# KiCad board DevTermCaseTemp_v4.kicad_pcb
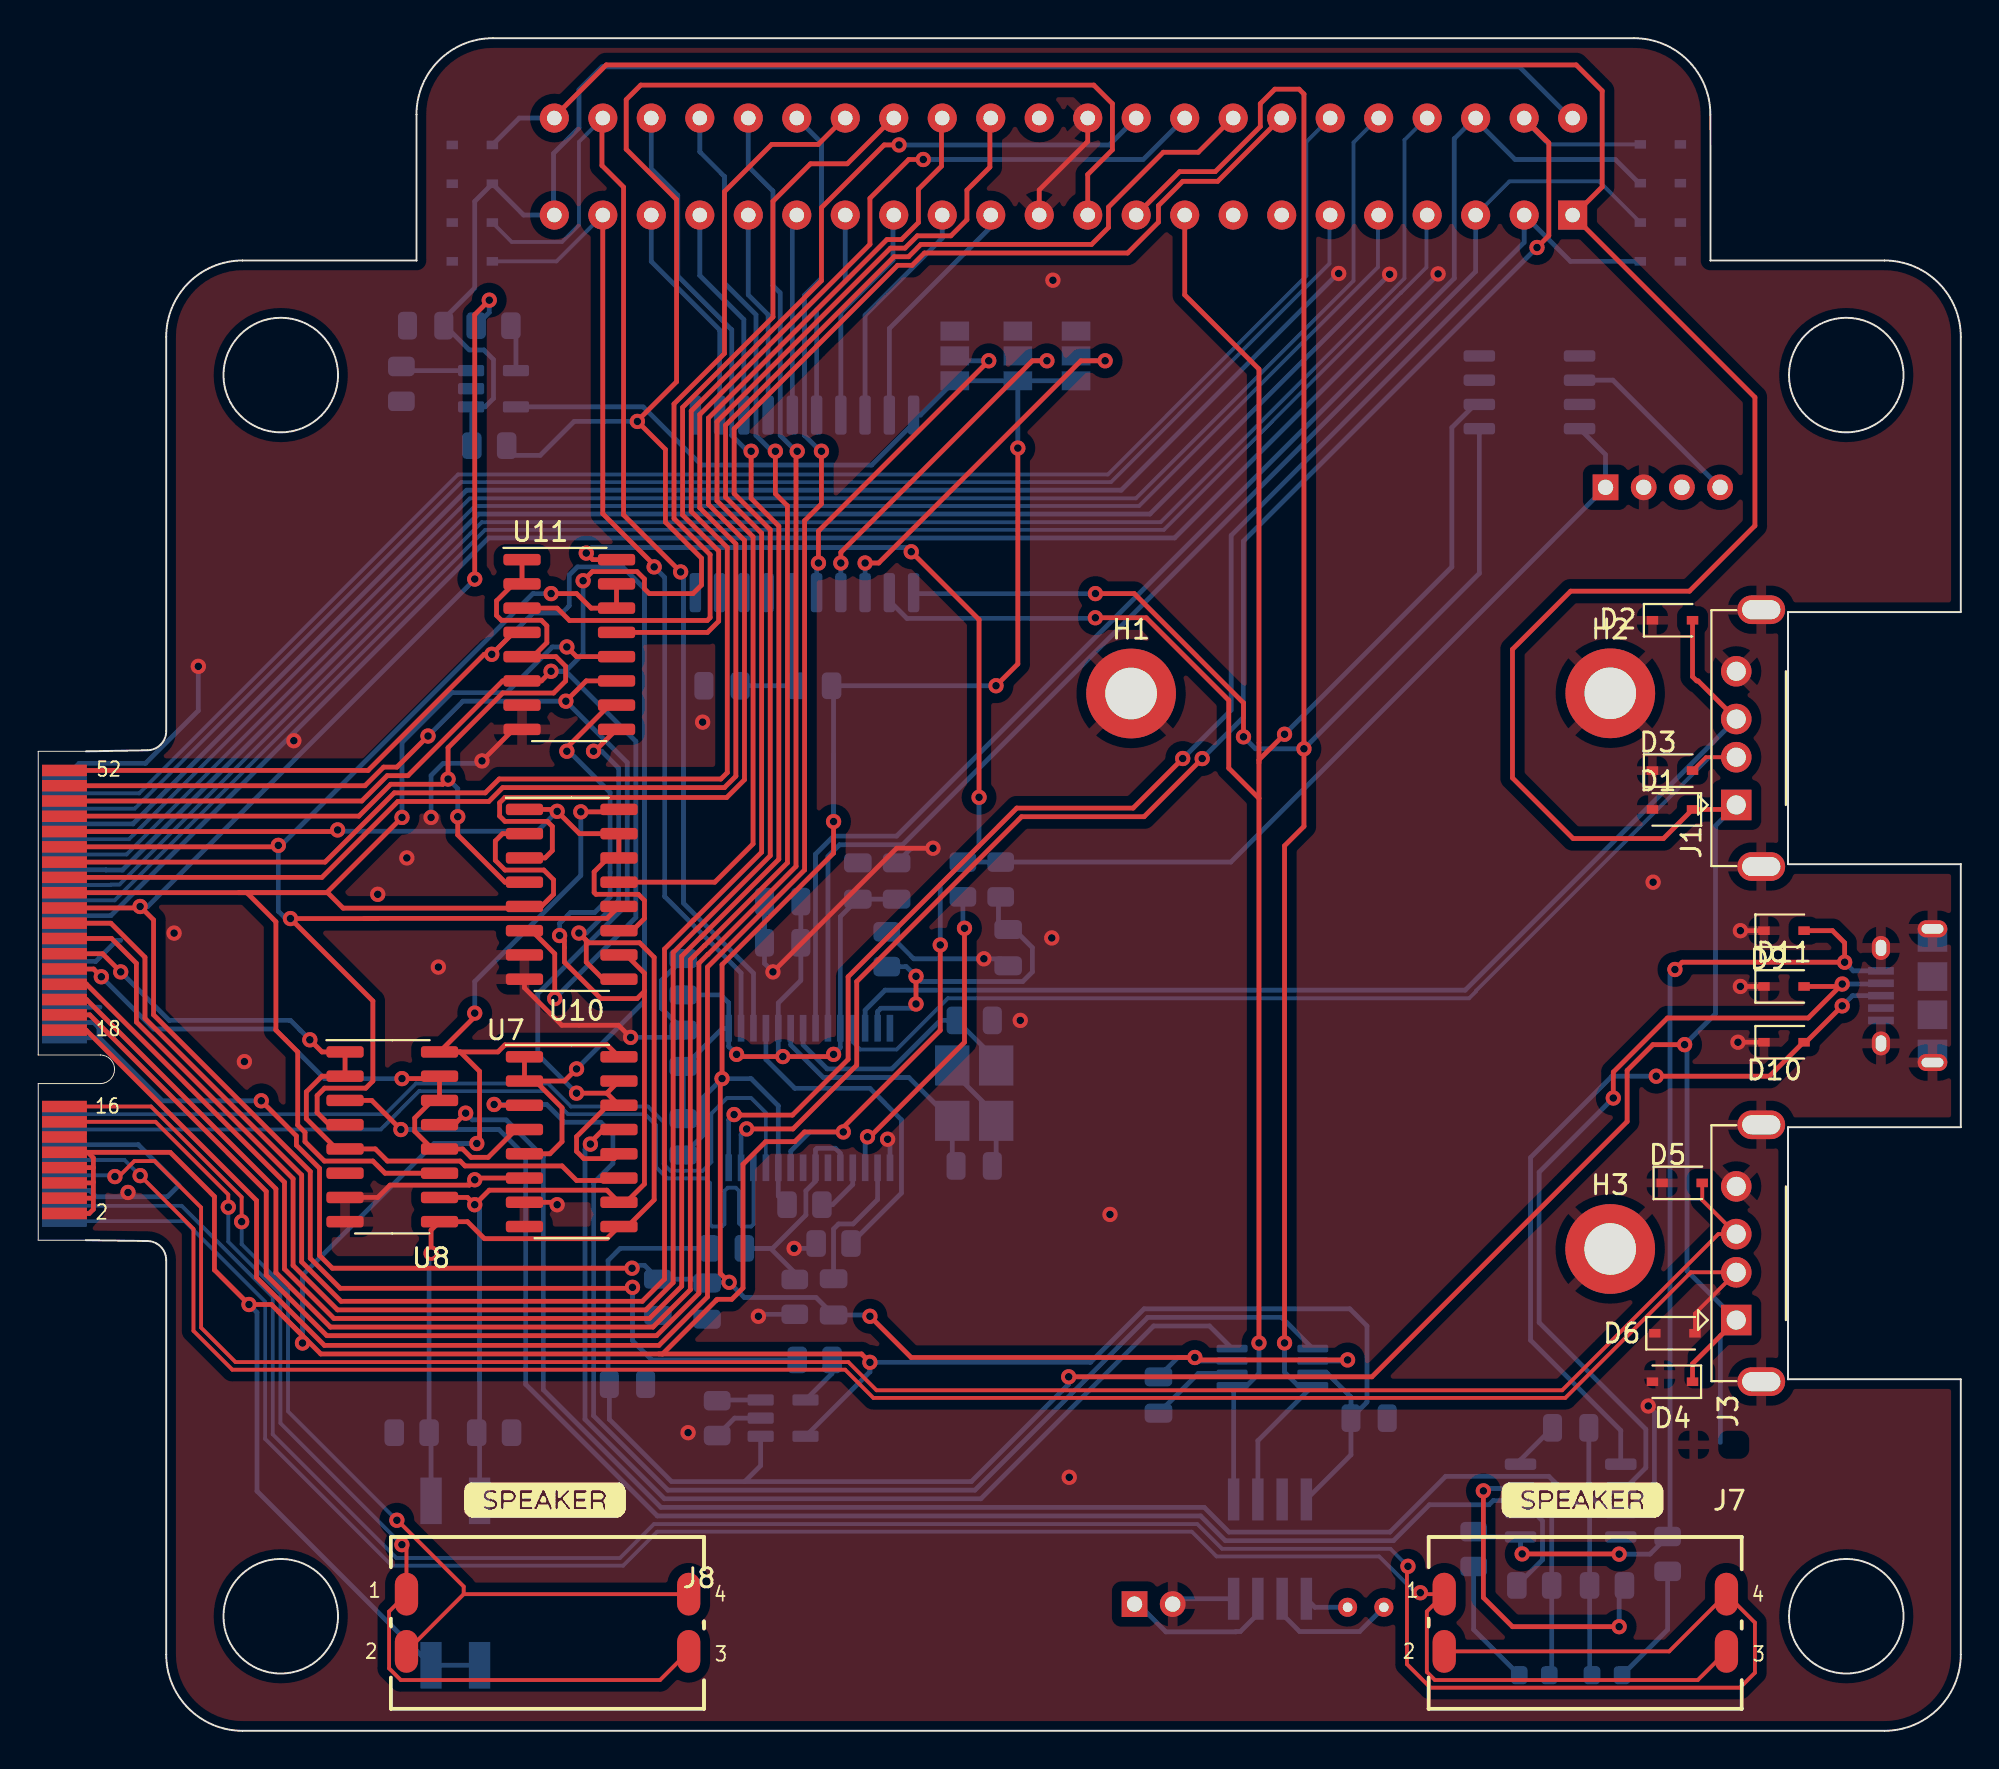
[diagram p0: board, top side]
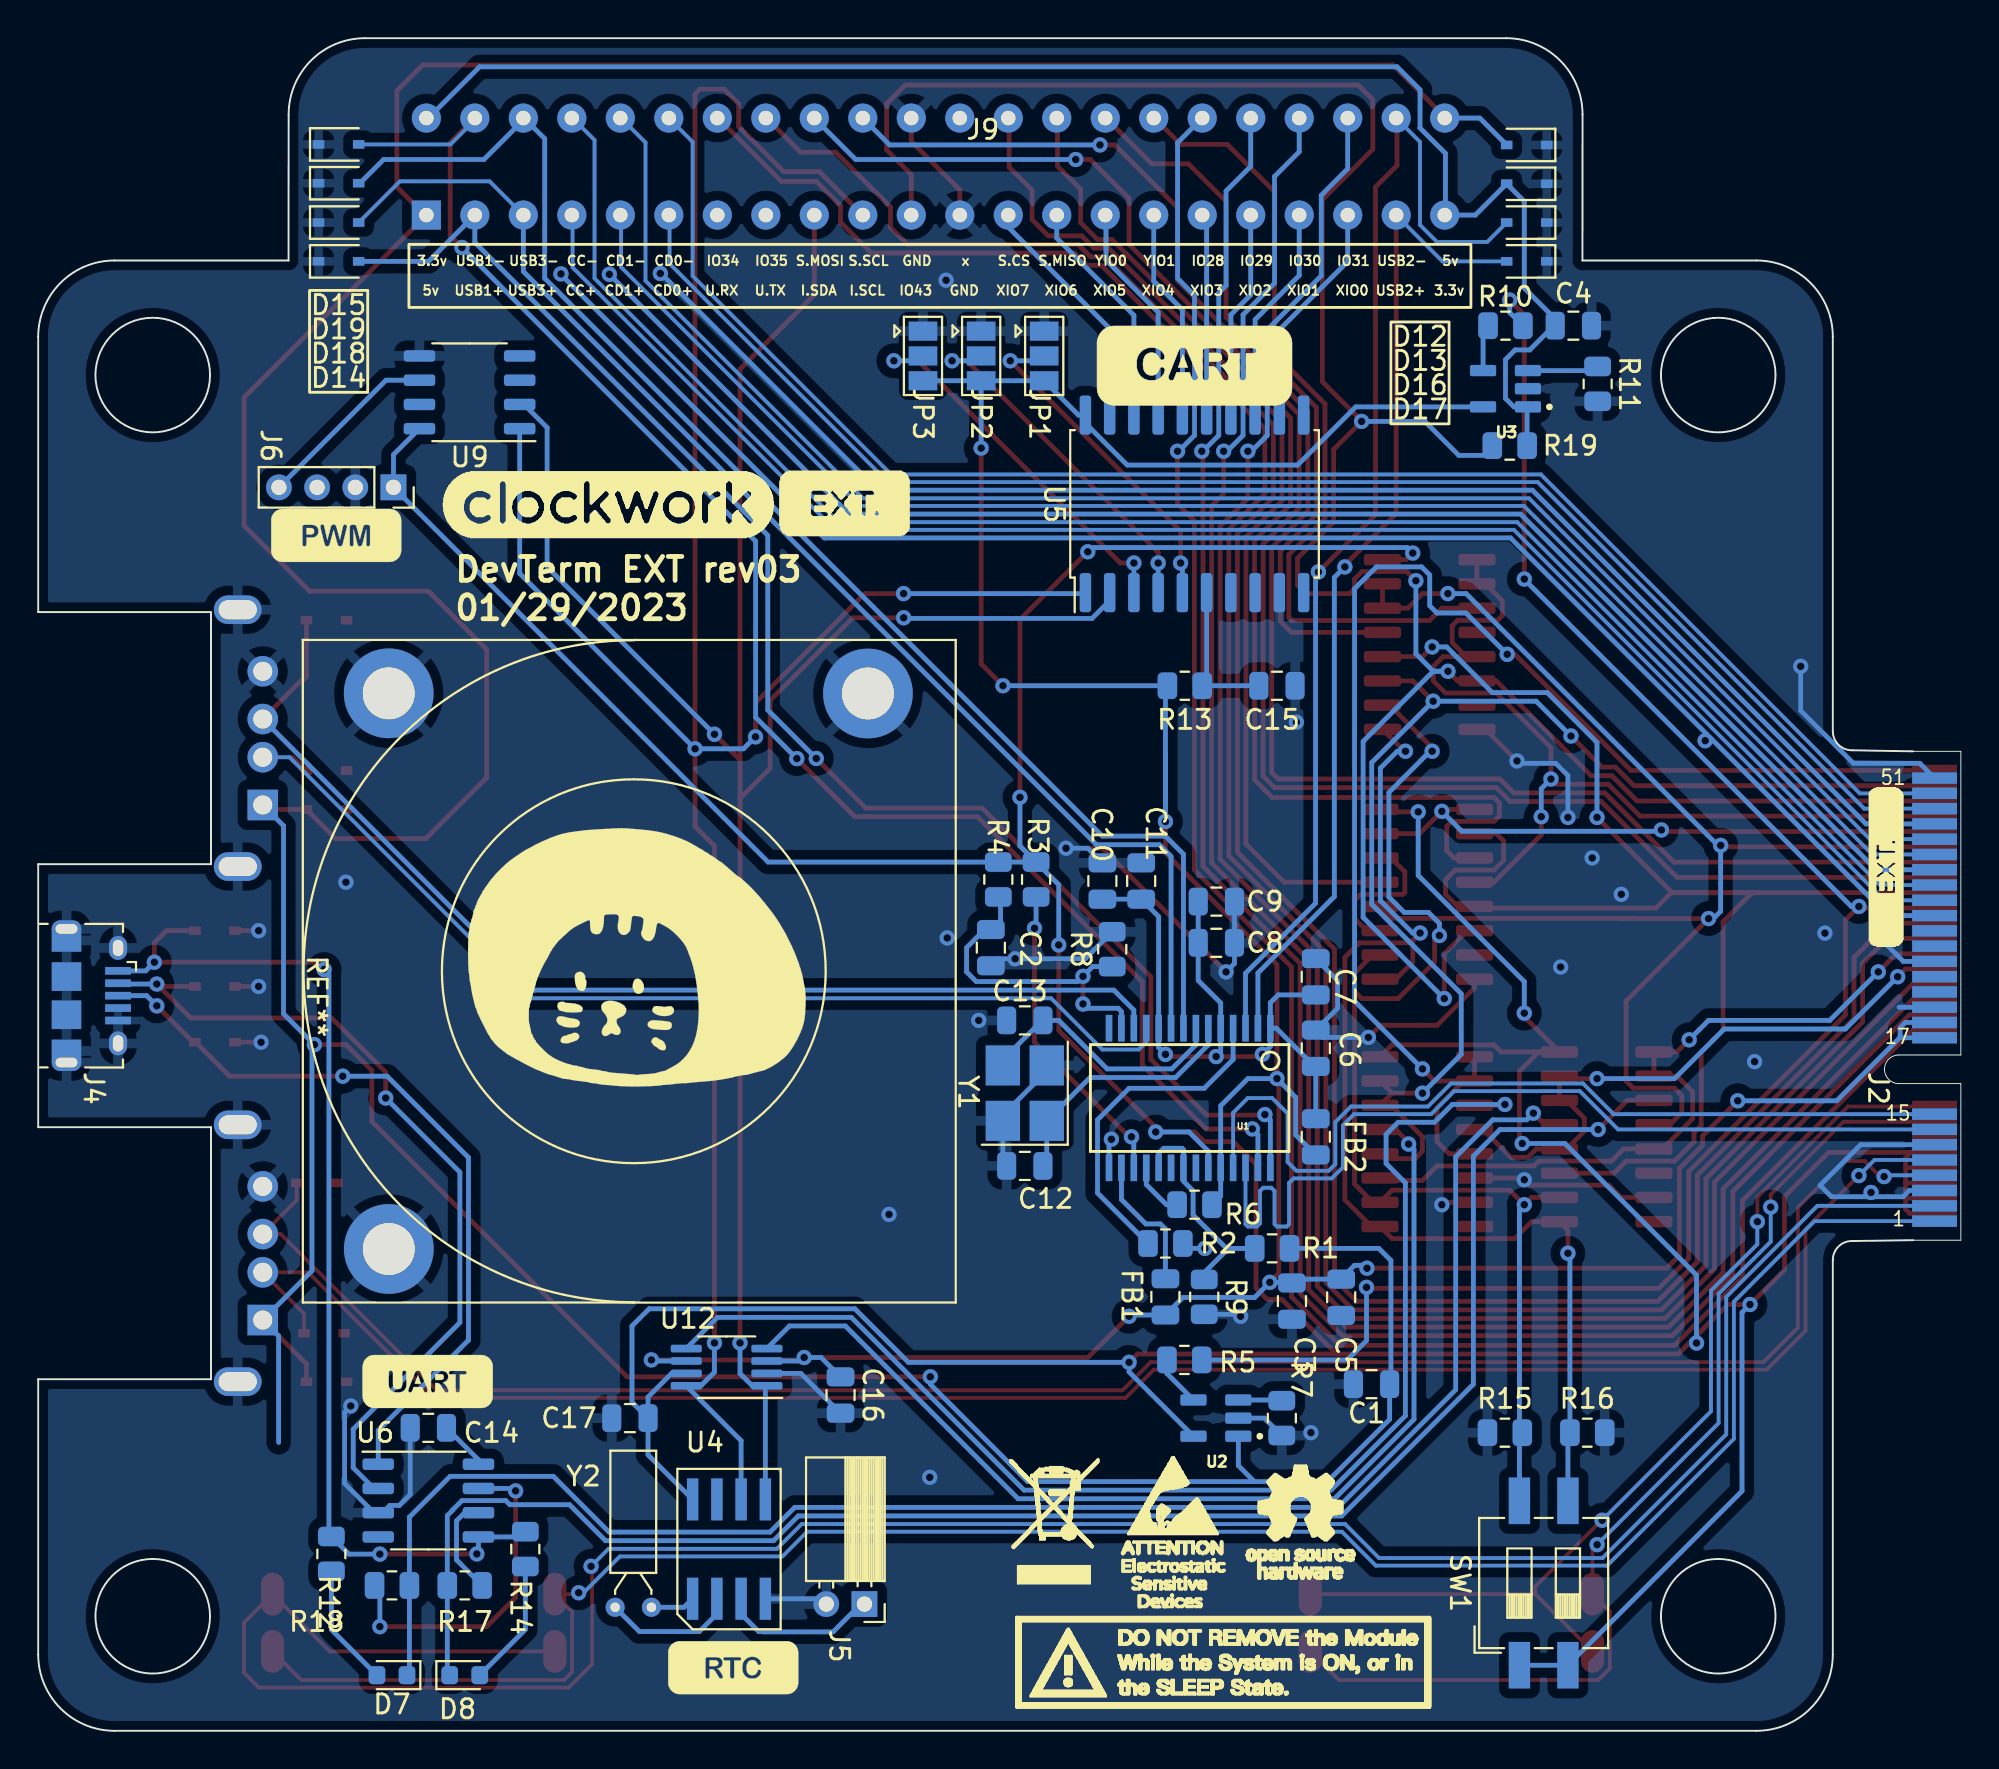
[diagram p1: board, bottom side, seen from below]

Outline 100.71 x 88.64 mm; copper layers: Top, Bottom. Coordinates in mm from the lower left corner of the outline.
Outline path: circle c12.71,71 r3 ; circle c12.71,6 r3 ; circle c94.71,71 r3 ; circle c94.71,6 r3 ; 2.5,51.29 5.71,51.35 arc(6.41,51.64) 6.71,52.35 6.71,73 arc(7.88,75.83) 10.71,77 19.82,77 19.81,84.64 arc(20.99,87.47) 23.81,88.64 83.59,88.64 arc(86.42,87.47) 87.59,84.64 87.59,77 96.71,77 arc(99.53,75.83) 100.71,73 100.71,58.59 91.65,58.59 91.65,45.39 100.71,45.39 100.71,31.61 91.66,31.61 91.66,18.41 100.71,18.41 100.71,4 arc(99.53,1.17) 96.71,0 10.71,0 arc(7.88,1.17) 6.71,4 6.71,24.65 arc(6.41,25.36) 5.71,25.65 2.5,25.69
Stack: Top 0.035mm / dielectric 1.51mm FR4 er 4.5 / Bottom 0.035mm

## Placement (name value [footprint] x y rotation side)
C1  10uF  [C_0805_2012Metric]  30.87 18.15 0 bottom
C2  1uF  [C_0805_2012Metric]  50.81 41.01 270 bottom
C3  100nF  [C_0805_2012Metric]  35.04 22.5 270 bottom
C4  10uF  [C_0805_2012Metric]  20.29 73.59 180 bottom
C5  10uF  [C_0805_2012Metric]  32.46 22.7 270 bottom
C6  100nF  [C_0805_2012Metric]  33.79 35.75 90 bottom
C7  100nF  [C_0805_2012Metric]  33.79 39.49 90 bottom
C8  100nF  [C_0805_2012Metric]  38.99 41.27 180 bottom
C9  1uF  [C_0805_2012Metric]  38.99 43.43 180 bottom
C10  1uF  [C_0805_2012Metric]  44.96 44.5 90 bottom
C11  100nF  [C_0805_2012Metric]  42.93 44.5 90 bottom
C12  20pF  [C_0805_2012Metric]  49.03 29.58 0 bottom
C13  20pF  [C_0805_2012Metric]  49.03 37.2 0 bottom
C14  100nF  [C_0805_2012Metric]  80.27 15.87 0 bottom
C15  100nF  [C_0805_2012Metric]  35.82 54.73 0 bottom
C16  100nF  [C_0805_2012Metric]  58.68 17.58 270 bottom
C17  100nF  [C_0805_2012Metric]  69.71 16.38 0 bottom
D1  ESD  [D_SOD-323]  85.6 48.25 180 top
D2  ESD  [D_SOD-323]  85.6 58.16 0 top
D3  ESD  [D_SOD-323]  85.6 50.28 0 top
D4  ESD  [D_SOD-323]  85.6 18.28 180 top
D5  ESD  [D_SOD-323]  86.11 28.69 0 top
D6  ESD  [D_SOD-323]  85.73 20.82 0 top
D7  LED  [LED_0603_1608Metric]  82.17 2.91 0 bottom
D8  LED  [LED_0603_1608Metric]  78.36 2.91 180 bottom
D9  ESD  [D_SOD-323]  91.45 41.9 0 top
D10  ESD  [D_SOD-323]  91.45 36.06 0 top
D11  ESD  [D_SOD-323]  91.45 38.98 0 top
D12  ESD  [D_SOD-323]  22.74 83.05 0 bottom
D13  ESD  [D_SOD-323]  22.74 81.02 0 bottom
D14  ESD  [D_SOD-323]  84.97 76.95 180 bottom
D15  ESD  [D_SOD-323]  84.97 83.08 180 bottom
D16  ESD  [D_SOD-323]  22.74 78.99 0 bottom
D17  ESD  [D_SOD-323]  22.74 76.95 0 bottom
D18  ESD  [D_SOD-323]  84.97 78.99 180 bottom
D19  ESD  [D_SOD-323]  84.97 81.05 180 bottom
FB1  FerriteBead  [C_0805_2012Metric]  41.66 22.73 270 bottom
FB2  FerriteBead  [C_0805_2012Metric]  33.79 31.11 90 bottom
H1  MountingHole_Pad  [MountingHole_2.7mm_M2.5_DIN965_Pad]  57.25 54.32 0 top
H2  MountingHole_Pad  [MountingHole_2.7mm_M2.5_DIN965_Pad]  82.35 54.33 0 top
H3  MountingHole_Pad  [MountingHole_2.7mm_M2.5_DIN965_Pad]  82.34 25.23 0 top
J1  USB_A  [USB_A_PCBCUT]  88.94 48.49 90 top
J2  EXT_miniPCIe  [mini-PCIe]  0 34.64 90 bottom
J3  USB_A  [USB_A_PCBCUT]  88.94 21.51 90 top
J4  USB_B_Micro  [USB_Micro-B_Amphenol_10118194_Horizontal]  97.92 38.5 270 bottom
J5  JBAT  [PinSocket_1x02_P2.00mm_Horizontal]  57.43 6.64 270 bottom
J6  Conn_01x04  [PinSocket_1x04_P2.00mm_Vertical]  82.1 65.12 270 bottom
J7  DevTermSpeaker  [DevTerm-Speaker]  80.96 12.08 0 top
J8  DevTermSpeaker  [DevTerm-Speaker]  26.61 12.08 0 top
J9  Conn_02x22_Odd_Even  [C64-Cart-Socket-Horizontal]  53.7 81.92 180 bottom
JP1  A0  [SolderJumper-3_P1.3mm_Open_Pad1.0x1.5mm]  48.01 72 270 bottom
JP2  A1  [SolderJumper-3_P1.3mm_Open_Pad1.0x1.5mm]  51.31 72 270 bottom
JP3  A2  [SolderJumper-3_P1.3mm_Open_Pad1.0x1.5mm]  54.36 72 270 bottom
R1  30K  [R_0805_2012Metric]  36.07 25.27 0 bottom
R2  680R/1%  [R_0805_2012Metric]  41.66 25.52 0 bottom
R3  100K  [R_0805_2012Metric]  48.44 44.58 90 bottom
R4  10K  [R_0805_2012Metric]  50.42 44.58 270 bottom
R5  10K  [R_0805_2012Metric]  40.67 19.42 0 bottom
R6  100K  [R_0805_2012Metric]  40.14 27.55 180 bottom
R7  6.8K/1%  [R_0805_2012Metric]  35.57 16.38 270 bottom
R8  47K  [R_0805_2012Metric]  44.45 40.93 90 bottom
R9  30K  [R_0805_2012Metric]  39.63 22.73 270 bottom
R10  10K  [R_0805_2012Metric]  23.85 73.59 0 bottom
R11  6.8K/1%  [R_0805_2012Metric]  19.02 70.54 270 bottom
R12  1K  [R_0805_2012Metric]  85.35 9.26 270 bottom
R13  15K  [R_0805_2012Metric]  40.65 54.73 180 bottom
R14  1K  [R_0805_2012Metric]  75.19 9.52 270 bottom
R15  100K  [R_0805_2012Metric]  23.88 15.61 0 bottom
R16  100K  [R_0805_2012Metric]  19.56 15.61 180 bottom
R17  1K  [R_0805_2012Metric]  78.36 7.61 0 bottom
R18  1K  [R_0805_2012Metric]  82.17 7.61 180 bottom
R19  100K  [R_0805_2012Metric]  23.63 67.3 0 bottom
REF**  -  [clockwork]  67.8 64.23 0 top
REF**#2  -  [open_source_hw]  41.2 9.87 0 top
REF**#3  -  [caution]  39.25 3.68 0 top
REF**#4  -  [mpcie-silk-back]  4.15 40.84 180 bottom
REF**#5  -  [pwm]  85.1 62.6 180 bottom
REF**#6  -  [uart]  80.27 18.41 180 bottom
REF**#7  -  [cart]  39.88 71.49 180 bottom
REF**#8  -  [turbo_fan_3505]  89.85 39.73 90 bottom
REF**#9  -  [rtc]  64.27 3.42 180 bottom
SW1  SW_DIP_x02  [SW_DIP_SPSTx02_Slide_6.7x6.64mm_W8.61mm_P2.54mm_LowProfile]  21.85 7.74 90 bottom
U1  GL850G  [SSOP28]  40.39 33.14 0 bottom
U2  SY6280  [SOT23-5P95_285X100L45X40N]  39.02 16.38 0 bottom
U3  SY6280  [SOT23-5P95_285X100L45X40N]  23.85 70.28 0 bottom
U4  DS1307+  [SOIC-8]  64.52 9.52 180 bottom
U5  MCP23008-xSS  [SOIC-20W_7.5x12.8mm_P1.27mm]  40.14 64.25 90 bottom
U6  CH340N  [SOP-8_3.9x4.9mm_P1.27mm]  80.27 12.06 180 bottom
U7  4052  [SOIC-16_3.9x9.9mm_P1.27mm]  27.95 30.85 0 top
U8  4052  [SOIC-16_3.9x9.9mm_P1.27mm]  18.55 31.11 0 top
U9  gp7101  [SOP-8_3.9x4.9mm_P1.27mm]  78.11 70.1 0 bottom
U10  4052  [SOIC-16_3.9x9.9mm_P1.27mm]  27.95 43.81 0 top
U11  4052  [SOIC-16_3.9x9.9mm_P1.27mm]  27.82 56.89 0 top
U12  TXS0102DCT  [MSOP-8_3x3mm_P0.65mm]  64.65 19.04 0 bottom
Y1  12MHz  [Crystal_SMD_3225-4Pin_3.2x2.5mm_HandSoldering]  49.03 33.39 90 bottom
Y2  32.768KHz  [Crystal_DS26_D2.0mm_L6.0mm_Horizontal]  68.59 6.47 0 bottom

## Footprints (pads in the part's own frame, mm; a bottom-side part is the same pattern mirrored in y, then rotated)
C64-Cart-Socket-Horizontal
  rect 1.524x1.524 hole 0.762: 1(-26.67,-2.54)
  round 1.524 hole 0.762: 2(-26.67,2.54) 3(-24.13,-2.54) 4(-24.13,2.54) 5(-21.59,-2.54) 6(-21.59,2.54) 7(-19.05,-2.54) 8(-19.05,2.54) 9(-16.51,-2.54) 10(-16.51,2.54) 11(-13.97,-2.54) 12(-13.97,2.54) 13(-11.43,-2.54) 14(-11.43,2.54) 15(-8.89,-2.54) 16(-8.89,2.54) 17(-6.35,-2.54) 18(-6.35,2.54) 19(-3.81,-2.54) 20(-3.81,2.54) 21(-1.27,-2.54) 22(-1.27,2.54) 23(1.27,-2.54) 24(1.27,2.54) 25(3.81,-2.54) 26(3.81,2.54) 27(6.35,-2.54) 28(6.35,2.54) 29(8.89,-2.54) 30(8.89,2.54) 31(11.43,-2.54) 32(11.43,2.54) 33(13.97,-2.54) 34(13.97,2.54) 35(16.51,-2.54) 36(16.51,2.54) 37(19.05,-2.54) 38(19.05,2.54) 39(21.59,-2.54) 40(21.59,2.54) 41(24.13,-2.54) 42(24.13,2.54) 43(26.67,-2.54) 44(26.67,2.54)
C_0805_2012Metric
  rrect 1x1.45 smd: 1(-0.95,0) 2(0.95,0)
Crystal_DS26_D2.0mm_L6.0mm_Horizontal
  round 1 hole 0.5: 1(0,0) 2(1.9,0)
Crystal_SMD_3225-4Pin_3.2x2.5mm_HandSoldering
  rect 2.1x1.8 smd: 1(-1.45,-1.15) 2(1.45,-1.15) 3(1.45,1.15) 4(-1.45,1.15)
D_SOD-323
  rect 0.6x0.45 smd: 1(-1.05,0) 2(1.05,0)
DevTerm-Speaker
  rrect 1.219x2.243 smd: 1(-7.315,-4.928) 2(-7.315,-7.925) 3(7.468,-7.925) 4(7.468,-4.928)
LED_0603_1608Metric
  rrect 0.875x0.95 smd: 1(-0.787,0) 2(0.787,0)
mini-PCIe
  rect 0.6x2.35 smd: 1(-7.95,1.375) 3(-7.15,1.375) 5(-6.35,1.375) 7(-5.55,1.375) 9(-4.75,1.375) 11(-3.95,1.375) 13(-3.15,1.375) 15(-2.35,1.375) 17(1.65,1.375) 19(2.45,1.375) 21(3.25,1.375) 23(4.05,1.375) 25(4.85,1.375) 27(5.65,1.375) 29(6.45,1.375) 31(7.25,1.375) 33(8.05,1.375) 35(8.85,1.375) 37(9.65,1.375) 39(10.45,1.375) 41(11.25,1.375) 43(12.05,1.375) 45(12.85,1.375) 47(13.65,1.375) 49(14.45,1.375) 51(15.25,1.375)
  rect 0.6x2.35 smd far side: 2(-7.55,1.375) 4(-6.75,1.375) 6(-5.95,1.375) 8(-5.15,1.375) 10(-4.35,1.375) 12(-3.55,1.375) 14(-2.75,1.375) 16(-1.95,1.375) 18(2.05,1.375) 20(2.85,1.375) 22(3.65,1.375) 24(4.45,1.375) 26(5.25,1.375) 28(6.05,1.375) 30(6.85,1.375) 32(7.65,1.375) 34(8.45,1.375) 36(9.25,1.375) 38(10.05,1.375) 40(10.85,1.375) 42(11.65,1.375) 44(12.45,1.375) 46(13.25,1.375) 48(14.05,1.375) 50(14.85,1.375) 52(15.65,1.375)
MountingHole_2.7mm_M2.5_DIN965_Pad
  round 4.7 hole 2.7: 1(0,0)
MSOP-8_3x3mm_P0.65mm
  rrect 1.625x0.4 smd: 1(-2.112,0.975) 2(-2.112,0.325) 3(-2.112,-0.325) 4(-2.112,-0.975) 5(2.112,-0.975) 6(2.112,-0.325) 7(2.112,0.325) 8(2.112,0.975)
PinSocket_1x02_P2.00mm_Horizontal
  rect 1.35x1.35 hole 0.8: 1(0,0)
  oval 1.35x1.35 hole 0.8: 2(0,-2)
PinSocket_1x04_P2.00mm_Vertical
  rect 1.35x1.35 hole 0.8: 1(0,0)
  oval 1.35x1.35 hole 0.8: 2(0,-2) 3(0,-4) 4(0,-6)
R_0805_2012Metric
  rrect 1.025x1.4 smd: 1(-0.912,0) 2(0.912,0)
SOIC-8
  rect 0.6x2.2 smd: 1(-1.905,-2.6) 2(-0.635,-2.6) 3(0.635,-2.6) 4(1.905,-2.6) 5(1.905,2.6) 6(0.635,2.6) 7(-0.635,2.6) 8(-1.905,2.6)
SOIC-16_3.9x9.9mm_P1.27mm
  rrect 1.95x0.6 smd: 1(-2.475,4.445) 2(-2.475,3.175) 3(-2.475,1.905) 4(-2.475,0.635) 5(-2.475,-0.635) 6(-2.475,-1.905) 7(-2.475,-3.175) 8(-2.475,-4.445) 9(2.475,-4.445) 10(2.475,-3.175) 11(2.475,-1.905) 12(2.475,-0.635) 13(2.475,0.635) 14(2.475,1.905) 15(2.475,3.175) 16(2.475,4.445)
SOIC-20W_7.5x12.8mm_P1.27mm
  rrect 2.05x0.6 smd: 1(-4.65,5.715) 2(-4.65,4.445) 3(-4.65,3.175) 4(-4.65,1.905) 5(-4.65,0.635) 6(-4.65,-0.635) 7(-4.65,-1.905) 8(-4.65,-3.175) 9(-4.65,-4.445) 10(-4.65,-5.715) 11(4.65,-5.715) 12(4.65,-4.445) 13(4.65,-3.175) 14(4.65,-1.905) 15(4.65,-0.635) 16(4.65,0.635) 17(4.65,1.905) 18(4.65,3.175) 19(4.65,4.445) 20(4.65,5.715)
SolderJumper-3_P1.3mm_Open_Pad1.0x1.5mm
  rect 1x1.5 smd: 1(-1.3,0) 2(0,0) 3(1.3,0)
SOP-8_3.9x4.9mm_P1.27mm
  rrect 1.65x0.6 smd: 1(-2.625,1.905) 2(-2.625,0.635) 3(-2.625,-0.635) 4(-2.625,-1.905) 5(2.625,-1.905) 6(2.625,-0.635) 7(2.625,0.635) 8(2.625,1.905)
SOT23-5P95_285X100L45X40N
  rrect 1.37x0.59 smd: 1(-1.175,0.95) 2(-1.175,0) 3(-1.175,-0.95) 4(1.175,-0.95) 5(1.175,0.95)
SSOP28
  rect 0.348x1.397 smd: 1(-4.225,-3.656) 2(-3.575,-3.656) 3(-2.925,-3.656) 4(-2.275,-3.656) 5(-1.625,-3.656) 6(-0.975,-3.656) 7(-0.325,-3.656) 8(0.325,-3.656) 9(0.975,-3.656) 10(1.625,-3.656) 11(2.275,-3.656) 12(2.925,-3.656) 13(3.575,-3.656) 14(4.225,-3.656) 15(4.225,3.656) 16(3.575,3.656) 17(2.925,3.656) 18(2.275,3.656) 19(1.625,3.656) 20(0.975,3.656) 21(0.325,3.656) 22(-0.325,3.656) 23(-0.975,3.656) 24(-1.625,3.656) 25(-2.275,3.656) 26(-2.925,3.656) 27(-3.575,3.656) 28(-4.225,3.656)
SW_DIP_SPSTx02_Slide_6.7x6.64mm_W8.61mm_P2.54mm_LowProfile
  rect 2.44x1.12 smd: 1(-4.305,1.27) 2(-4.305,-1.27) 3(4.305,-1.27) 4(4.305,1.27)
USB_A_PCBCUT
  rect 1.6x1.6 hole 1: 1(0,0)
  round 1.6 hole 1: 2(2.5,0) 3(4.5,0) 4(7,0)
  oval 1.5x2.5 hole 1x2: 5(-3.225,-1.31) 5(10.225,-1.31)
USB_Micro-B_Amphenol_10118194_Horizontal
  oval 0.89x1.55 smd: (-3.5,-1.3) (3.5,-1.3)
  oval 1.25x0.95 smd: (-2.5,1.4) (2.5,1.4)
  rect 0.4x1.35 smd: 1(-1.3,1.4) 2(-0.65,1.4) 3(0,1.4) 4(0.65,1.4) 5(1.3,1.4)
  oval 0.89x1.55 hole 0.5x1.15: 6(-3.5,-1.3) 6(3.5,-1.3)
  rect 1.2x1.55 smd: 6(-2.9,-1.3) 6(2.9,-1.3)
  oval 1.25x0.95 hole 0.85x0.55: 6(-2.5,1.4) 6(2.5,1.4)
  rect 1.5x1.55 smd: 6(-1,-1.3) 6(1,-1.3)
